# Allegro board RK3588S_Template_LP4XD200P232SD8H2_31X31_2133MHz_H1R6_V11_20220218YWQ.brd (continued)
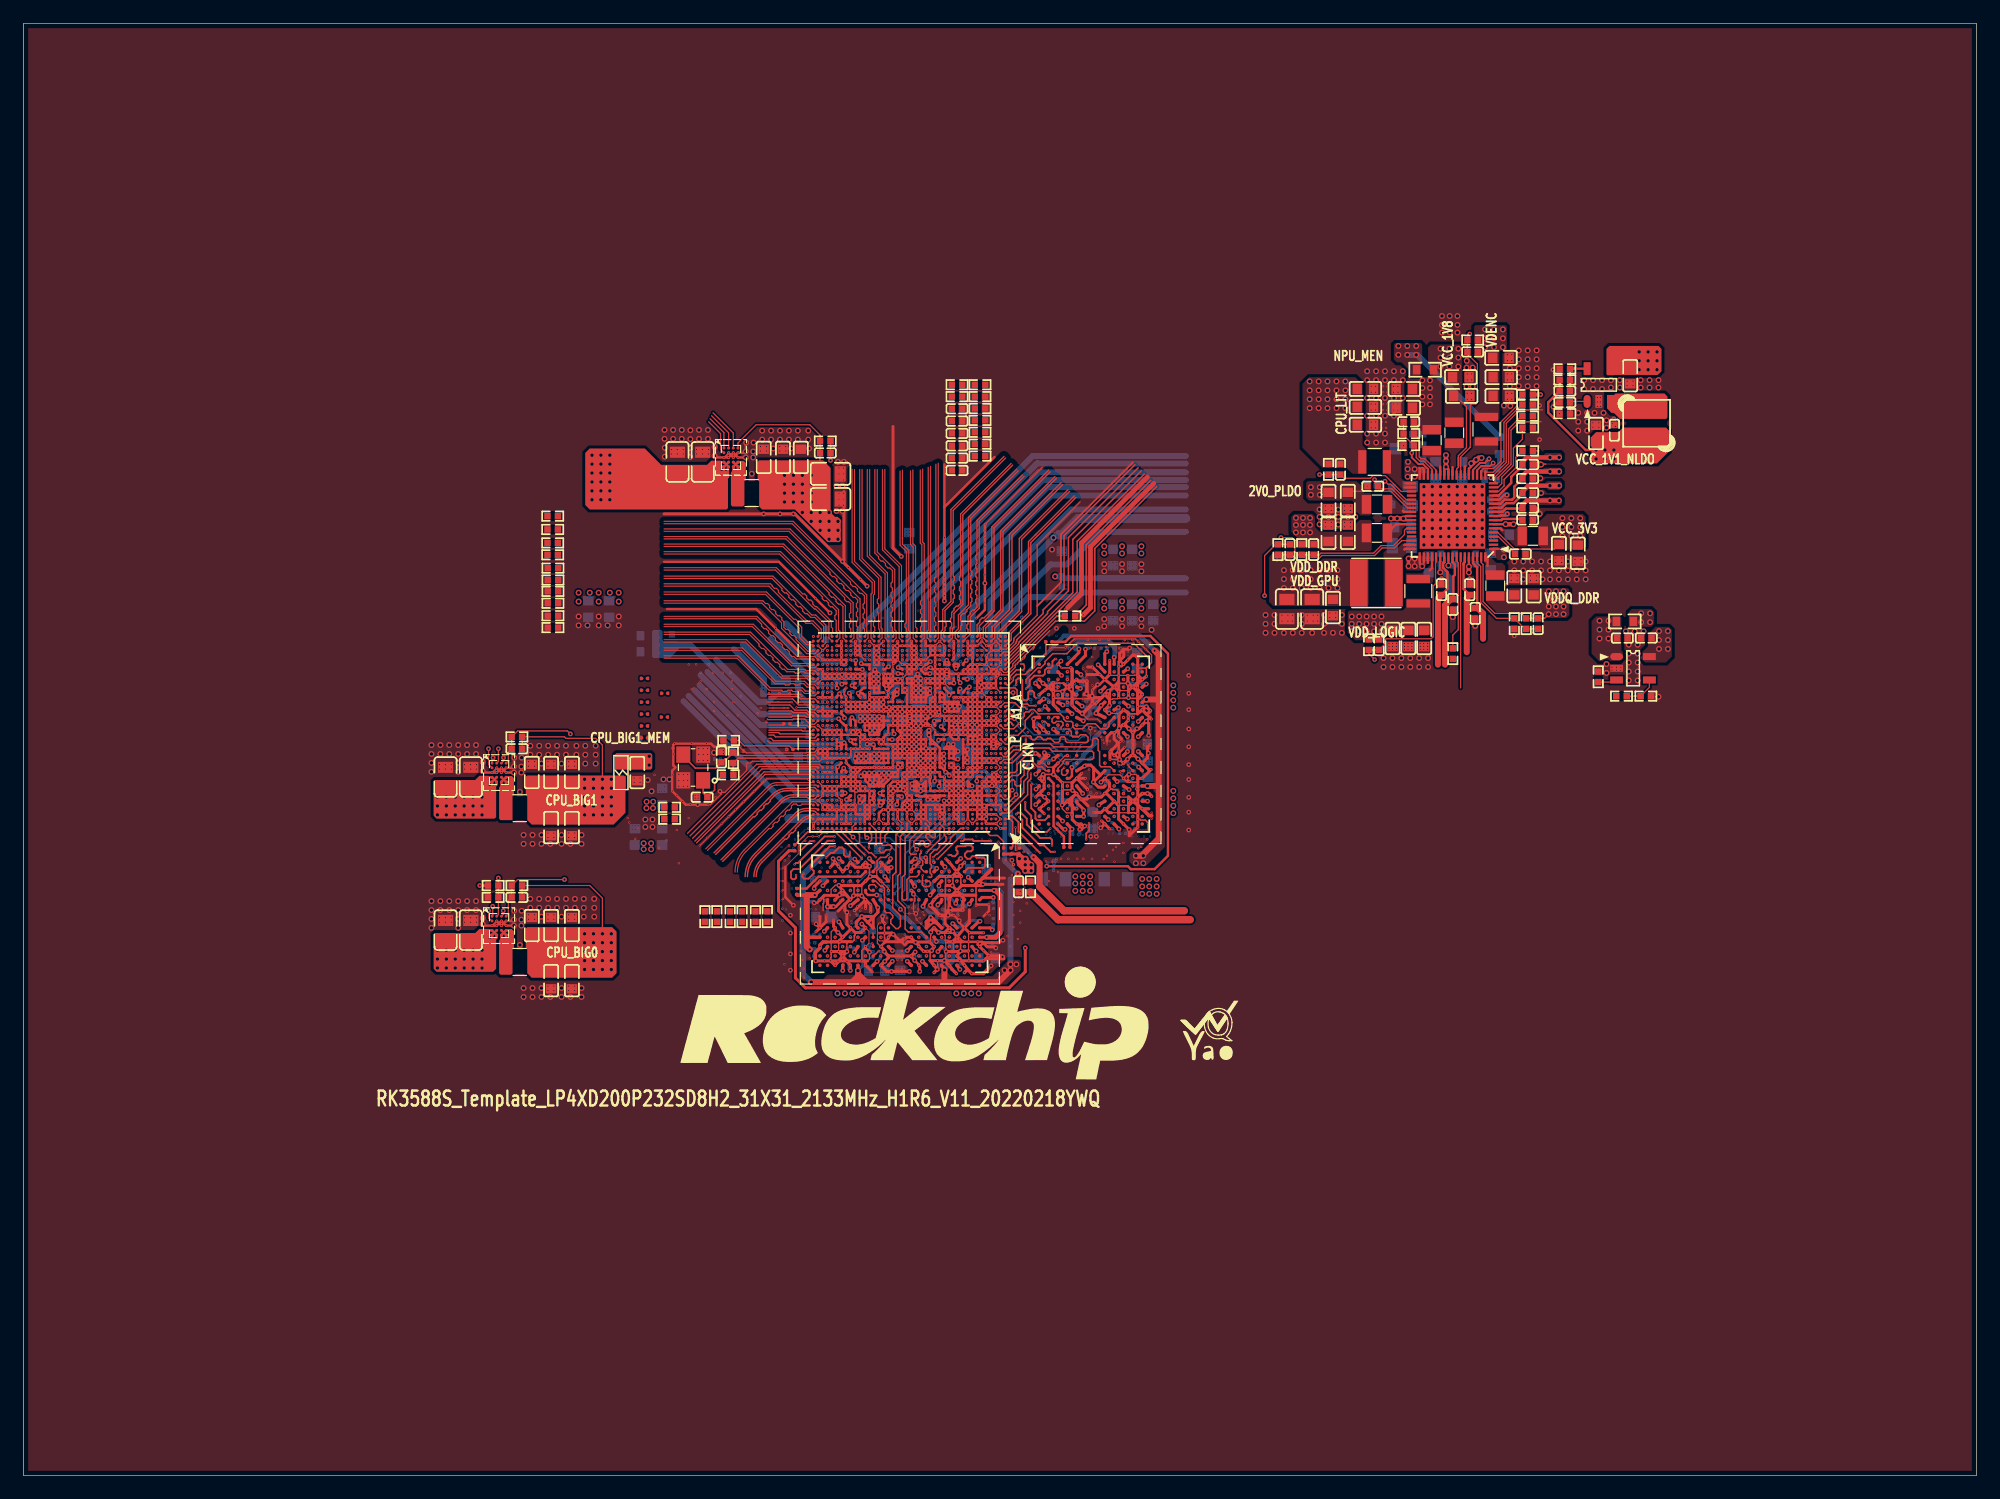
[diagram p0: board, top side]
## Copper pours and planes (outline as drawn; the poured copper is in the pictures) (continued)
VDDQ_DDR_S0 on L4-POWER1: 88.14,52.2 84.96,49.02 79.25,49.02 78.1,50.16 78.1,52.83 78.23,52.96 78.23,53.34 78.1,53.47 77.85,53.47 77.72,53.59 77.34,53.59 77.09,53.85 77.09,54.23 76.83,54.48 76.2,54.48 76.07,54.61 76.07,55.88 76.33,56.13 76.33,56.52 76,56.84 76,57.46 76.07,57.53 76.71,57.53 77.22,58.04 79.25,58.04 80.26,59.05 80.26,61.98 80.52,62.23 81.03,62.23 81.15,62.1 81.66,62.1 82.17,61.59 82.17,61.47 82.55,61.09 82.55,60.45 82.8,60.2 83.57,60.2 83.82,59.94 84.45,59.94 85.22,59.18 85.22,59.05 85.85,58.42 85.85,57.28 86.36,56.77 86.36,56.39 86.87,55.88 87.5,55.88 87.63,55.75 87.63,55.12 88.14,54.61
PMIC_SW1 on TOP: 116.59,79.25 117.35,79.25 117.73,79.63 119,79.63 119,78.87 118.24,78.87 117.86,78.49 117.86,74.3 117.73,74.17 116.33,74.17 116.2,74.3 116.2,78.87
PMIC_SW2 on TOP: 119,84.33 119,84.89 118.06,84.89 117.73,85.22 117.73,87.38 117.47,87.63 116.33,87.63 116.2,87.5 116.2,85.6 117.47,84.33
PMIC_SW3 on TOP: 120.27,77.98 120.27,78.87 120.52,78.87 120.52,76.45 120.27,76.2 118.24,76.2 118.11,76.33 118.11,77.09 118.24,77.22 119.51,77.22
PMIC_SW4 on TOP: 123.82,87.88 123.82,88.52 124.08,88.77 125.86,88.77 125.98,88.65 125.98,87.5 125.73,87.25 124.46,87.25 123.44,86.23 123.44,85.85 123.32,85.72 123.06,85.72 122.94,85.85 122.94,87
PMIC_SW5 on TOP: 116.08,79.76 116.08,81.28 116.2,81.41 119,81.41 119,81.15 118.24,81.15 117.86,80.77 117.86,80.52 117.09,79.76
PMIC_SW6 on TOP: 119.76,87 119.63,87 119.51,87.12 119.51,88.01 121.16,88.01 121.16,85.85 120.9,85.85
PMIC_SW7 on TOP: 116.2,82.17 118.11,82.17 118.18,82.24 119,82.24 119,82.42 118.36,82.42 116.97,83.82 116.14,83.82 116.14,82.23
PMIC_SW8 on TOP: 125.22,80.77 125.98,80.77 127.38,79.38 128.4,79.38 128.52,79.5 128.52,81.03 128.4,81.15 127.76,81.15 127.51,80.9 126.62,80.9 126.49,81.03 125.22,81.03
PMIC_SW9 on TOP: 124.71,76.45 124.71,78.87 124.73,78.88 125.03,78.88 125.03,78.8 125.86,77.98 126.36,77.98 126.62,77.72 126.62,76.58 126.49,76.45
PMIC_SW10 on TOP: 121.79,87 121.41,87.38 121.41,88.65 123.06,88.65 123.06,87.63 122.43,87 122.43,86.11 122.05,85.72 121.79,85.98
PMIC_VDC on BOTTOM: 116.71,88.27 118.11,88.27 118.24,88.39 119.89,88.39 120.01,88.27 120.01,86.61 119.89,86.49 119.25,86.49 118.62,87.12 116.71,87.12 116.59,87.25 116.59,88.14
N30961579 on TOP (solid shape): 61.6,86.61 61.72,86.49 61.72,85.09 61.59,84.96 61.59,82.93 61.47,82.8 60.58,82.8 60.45,82.93 60.45,85.72 60.64,85.91 61.34,85.91 61.34,86.61 61.59,86.61
N30962090 on TOP (solid shape): 140.46,92.2 140.46,90.42 140.33,90.3 136.4,90.3 135.89,90.81 135.69,90.81 135.31,91.19 135.31,92.32 135.89,92.32 136.03,92.46 140.21,92.46
N30962978 on TOP (solid shape): 41.78,59.69 41.91,59.56 41.91,58.17 41.78,58.04 41.78,56.01 40.77,56.01 40.64,56.13 40.64,58.8 40.83,58.99 41.53,58.99 41.53,59.69 41.78,59.69
N30963105 on TOP (solid shape): 41.78,46.61 41.91,46.48 41.91,45.09 41.78,44.96 41.78,42.93 41.66,42.8 40.77,42.8 40.64,42.93 40.64,45.72 40.83,45.91 41.53,45.91 41.53,46.61 41.78,46.61

Small or netless copper shapes (teardrops, artwork), in the pictures only: 2 on TOP, 5 on BOTTOM, 3 on L6-S2

## Text on the board
Ref Des/Silkscreen Bottom: DQ5 | DQS1P | DQS1N | FSPI | DQSON | DQSOP | DQ11
User.Comments: CR_VCAM_5 | CR_WIFI_1 | CR_0318_1 | CR_MOS_1 | CR_VCAM_2 | CR_DHPY_2 | CR_0415_2 | CR_VCAM_4 | CR_VCAM15_1 | CR_0310_2 | CR_PMU2_1 | CR_SPEAKER_1 | CR_PMIC_1 | CR_CAM_1 | CR_CAM1_2 | CR_CAM1_3
Ref Des/Silkscreen Top: CPU_BIG1 | CPU_BIG0 | CPU_BIG1_MEM | 2V0_PLDO | VDD_DDR | VDD_GPU | NPU_MEN | VDD_LOGIC | VDDQ_DDR | VCC_3V3 | VCC_1V1_NLDO | P | A1_A | CLKN | CPU_LIT | VCC_1V8 | VDENC | RK3588S_Template_LP4XD200P232SD8H2_31X31_2133MHz_H1R6_V11_20220218YWQ
User.31: PWR | GND | USB | sensor
